# Altium PCB PCB2EPS.PcbDoc (part 2 of 2)
Units mm, origin at the board's own origin, x right, y up, seen from the top; angles counter-clockwise.
Board outline 80 x 80 mm, 2 copper layers (Top Layer, Bottom Layer); 103 components, 76 nets, 428 pads, 277 vias.
Unrouted connection lines stored in the file: 3.
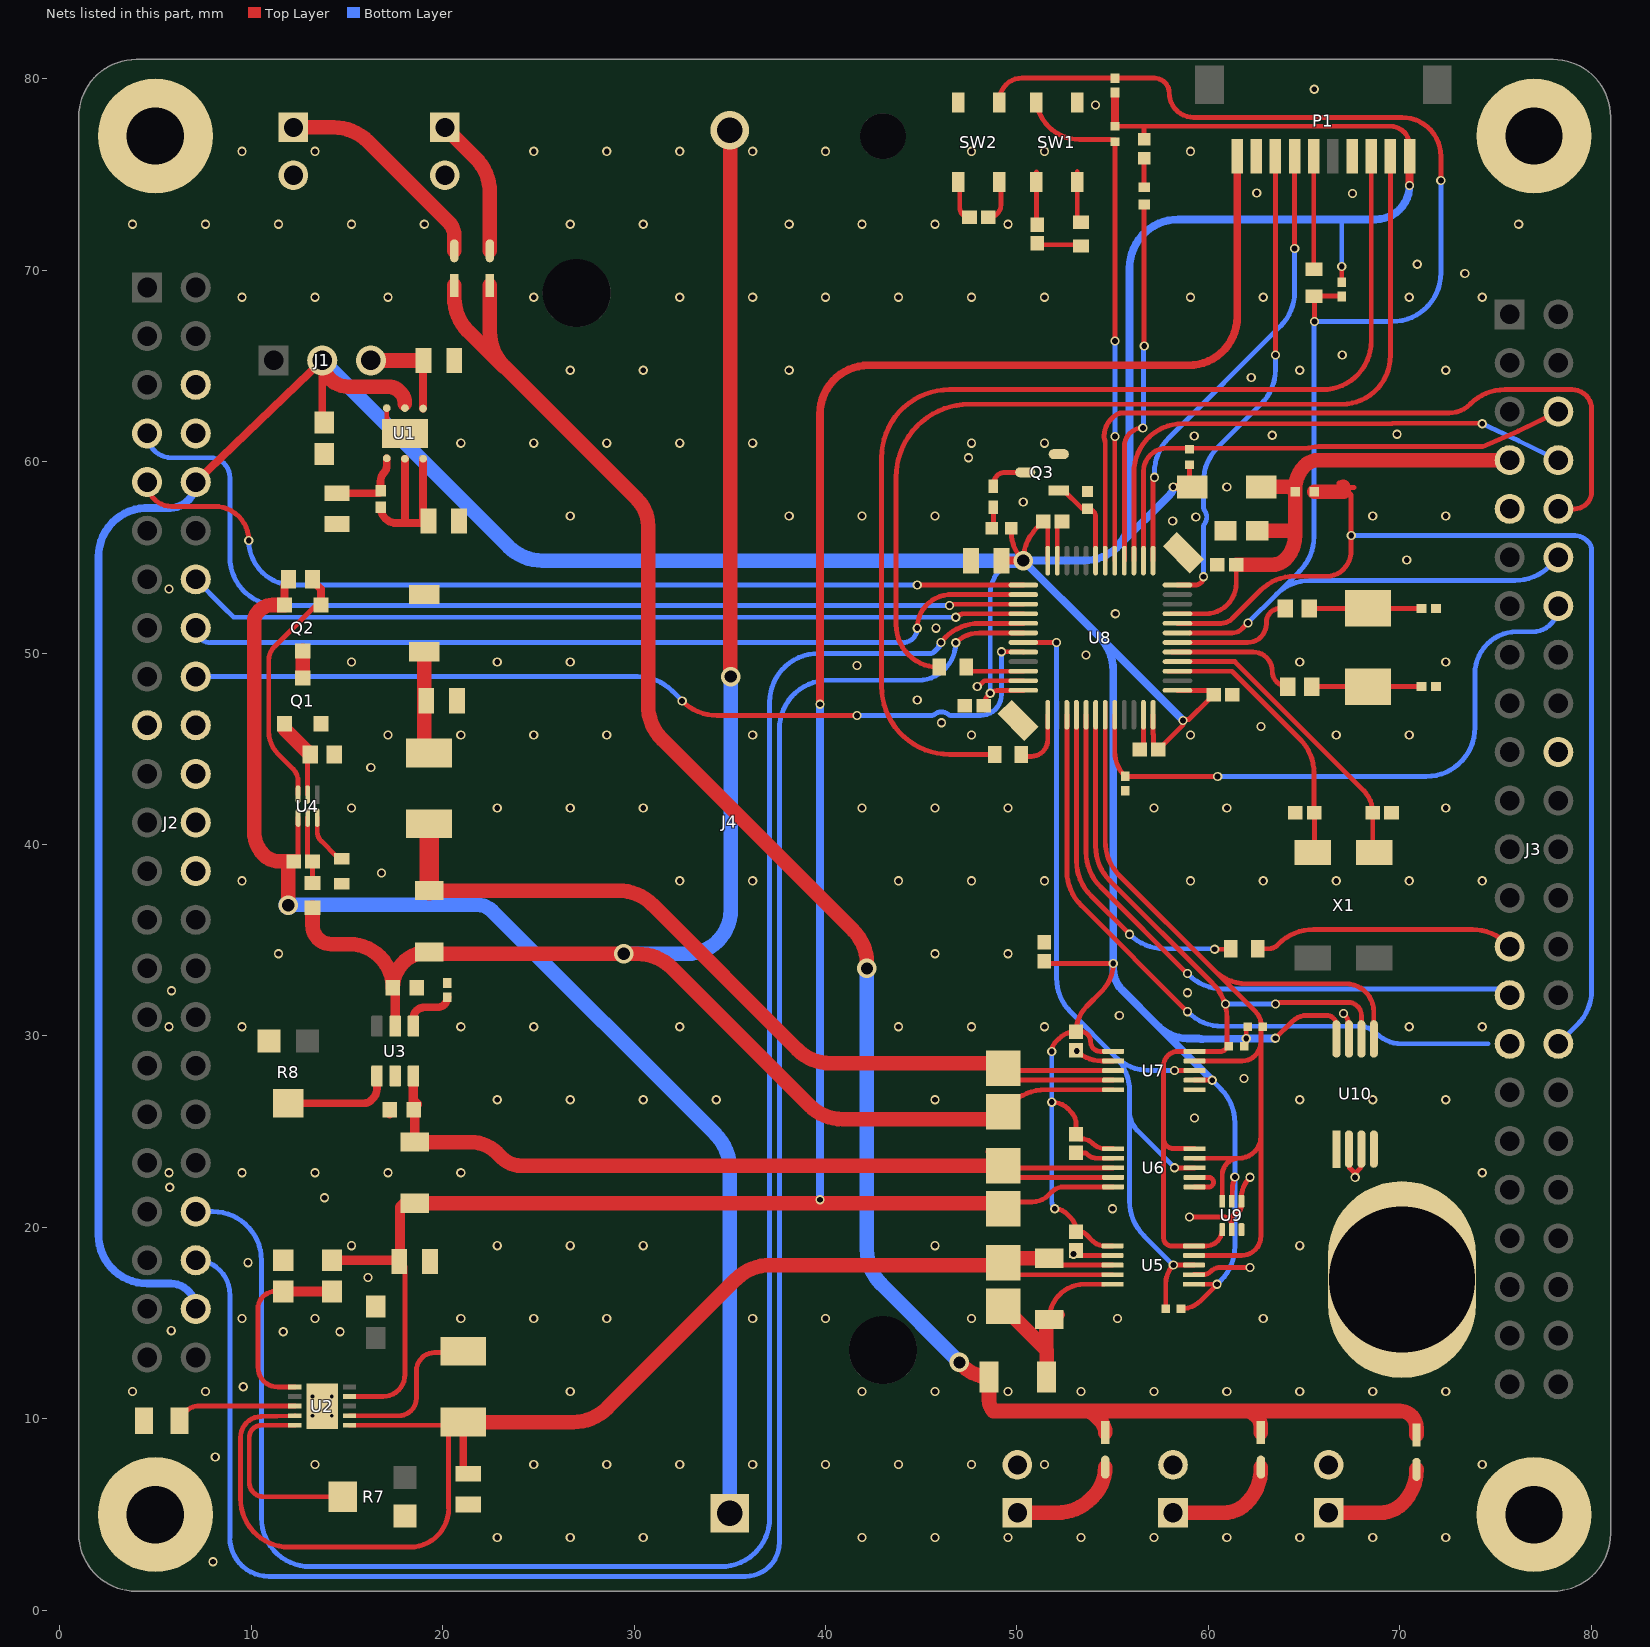
[diagram p2: the nets of this part, all layers, seen from the top]

## Via types
v1: diameter 0.483, hole 0.305, Top Layer to Bottom Layer, tented both sides, 267 vias
v2: diameter 1.016, hole 0.635, Top Layer to Bottom Layer, tented both sides, 6 vias
v3: diameter 0.5, hole 0.2, Top Layer to Bottom Layer, tented both sides, 4 vias

## Nets (pads, with @x,y where several pads share a name; then routed paths per layer and width w, separated by ;. In a path a pad name is that pad's centre, name@x,y a point inside that pad or via, vN(x,y) a via of type N, cw(c..) or ccw(c..) an arc to the next point about the centre after c; other vN are vias at no path point)
+5: C7.2 P1.10 R2.2 R3.2 R26.2 U2.9 U6.10 | length 127.7
  Top Layer w0.254: U2.9@15.141,11.168 16.884,11.168 ccw(c16.884,12.318) 18.034,12.318 18.034,17.931 ccw(c17.742,17.931) C7.2@17.742,18.223 ; R26.2@49.64,21.336 50.8,21.336 ccw(c50.8,22.528) 51.643,21.685 51.816,21.858 cw(c52.434,21.24) 52.434,22.114 U6.10@55.025,22.114
  Top Layer w0.406: v1(39.712,47.327) 39.712,62.484 cw(c42.252,62.484) 42.252,65.024 58.96,65.024 ccw(c58.96,67.564) 61.5,67.564 P1.10@61.5,75.946 ; R26.2@48.988,21.26 R26.2@49.276,20.972 ; R26.2@49.276,21.26 R26.2@49.276,20.972 ; R26.2@49.64,21.336 R26.2@49.276,20.972
  Top Layer w0.508: R3.2@14.224,18.288 C7.2@17.682,18.288 ; C7.2@17.78,18.288 17.78,21.082 R2.2@18.125,21.427
  Top Layer w0.762: R2.2@18.542,21.26 R26.2@48.988,21.26
  Bottom Layer w0.406: v1(39.712,21.443) v1(39.712,47.327)
AGND: C27.1 J3.32 U8.8 | length 56.2
  Top Layer w0.254: U8.8@58.381,51.55 60.657,51.55 ccw(c60.657,52.362) 61.23,51.788 62.709,53.266 cw(c64.505,51.47) 64.505,54.01 66.199,54.01 ccw(c66.199,55.191) 67.034,54.356 ccw(c66.027,55.363) 67.451,55.363 67.451,58.257 67.069,58.639 ; 67.034,58.639 67.069,58.639 ; 67.034,58.893 66.815,58.893 67.034,58.674 67.069,58.639 ; 67.601,58.639 67.069,58.639
  Top Layer w0.762: C27.1@65.524,58.42 67.056,58.42 ; 67.034,58.639 67.034,58.674
  Bottom Layer w0.254: v1@67.451,56.131 v1(67.454,56.134) 79.143,56.134 cw(c79.143,55.267) 79.756,55.88 79.83,55.806 cw(c79.397,55.372) 80.01,55.372 80.01,32.382 cw(c77.47,32.382) 79.266,30.586 J3.32@78.27,29.59
ALERT: R32.2 U5.3 U6.3 U7.3 U8.31 | length 49.2
  Top Layer w0.254: U8.31@50.331,50.55 50.333,50.548 51.446,50.548 51.448,50.546 v1(52.07,50.546) ; R32.2@57.766,15.748 57.766,17.068 cw(c59.132,17.068) v1(58.166,18.034) U5.3@59.242,18.034 ; v1(58.229,23.114) U6.3@59.275,23.114 ; v1(58.229,28.194) U7.3@59.275,28.194
  Bottom Layer w0.254: v1(52.07,50.546) 52.07,33.011 ccw(c54.551,33.011) 52.797,31.256 55.115,28.938 ; v1(58.166,18.034) 56.624,19.576 cw(c58.42,21.372) 55.88,21.372 55.88,26.052 ; v1(58.229,23.114) 56.296,25.047 cw(c57.302,26.052) 55.88,26.052 ; v1(58.229,28.194) 56.911,28.194 cw(c56.911,30.734) 55.115,28.938 ; 55.115,28.938 55.136,28.917 cw(c53.34,27.121) 55.88,27.121 55.88,26.052
AOCS_SHTDWN: J3.10 U8.18 | length 40.2
  Top Layer w0.254: U8.18@54.606,54.825 54.606,61.006 ccw(c54.352,61.006) 54.589,61.098 cw(c55.123,61.302) 54.552,61.334 cw(c55.828,61.334) 55.349,62.517 cw(c55.443,62.281) 55.442,62.535 72.556,62.535 ccw(c72.556,64.096) 73.66,62.992 73.678,63.01 cw(c75.474,61.214) 75.474,63.754 78.994,63.754 cw(c78.994,62.738) 80.01,62.738 80.01,58.42 cw(c79.12,58.42) 79.12,57.53 J3.10@78.27,57.53
AVDD: C17.2 C19.2 C27.2 FB2.2 J3.7 U8.9 | length 27.7
  Top Layer w0.254: U8.9@58.044,52.05 U8.9@58.381,52.05 59.85,52.05 ccw(c59.85,53.65) 61.45,53.65 C17.2@61.45,54.61
  Top Layer w0.762: C17.2@61.45,54.61 63.344,54.61 ccw(c63.344,55.549) 64.008,54.885 ccw(c62.762,56.131) 64.524,56.131 64.524,56.388 ; C19.2@62.549,56.388 64.524,56.388 ; FB2.2@62.76,58.674 64.27,58.674 C27.2@64.524,58.42 ; J3.7@75.73,60.07 65.739,60.07 ccw(c65.739,59.059) 65.024,59.774 ccw(c66.231,58.567) 64.524,58.567 C27.2@64.524,58.42 ; 64.524,56.388 C27.2@64.524,58.42
BAT_BUS: C2.2 C3.2 F1.1 J2.6 J2.24 J2.26 R1.2 U1.5 U1.6 | length 10
  Top Layer w0.406: R1.2@16.764,57.62 ccw(c17.601,57.62) 17.601,56.783 18.034,56.783 ; U1.5@18.034,60.147 18.034,56.783 ; C2.2@18.984,57.06 U1.6@18.984,60.147 ; C2.2@18.993,57.069 19.166,56.896 19.264,56.896 19.151,56.783 18.034,56.783
  Top Layer w0.762: F1.1@19.05,53.062 F1.1@19.157,53.169
BOOT0: J3.14 R21.2 U8.44 | length 32.3
  Top Layer w0.254: U8.44@55.106,46.775 55.106,44.859 ccw(c56.95,44.859) R21.2@55.646,43.555 v1(60.48,43.555)
  Bottom Layer w0.254: v1(60.48,43.555) 71.374,43.555 ccw(c71.374,46.095) 73.914,46.095 73.914,48.917 cw(c76.108,48.917) 76.108,51.111 76.931,51.111 ccw(c76.931,52.45) J3.14@78.27,52.45
BOOT0_AOCS: J2.9 U8.25 | length 48.8
  Top Layer w0.254: J2.9@4.572,58.928 ccw(c5.842,58.928) 5.842,57.658 8.099,57.658 cw(c8.099,55.88) v1(9.877,55.88) ; v1(44.79,53.55) U8.25@50.331,53.55
  Bottom Layer w0.254: v1(9.877,55.88) ccw(c12.207,55.88) 12.207,53.55 v1(44.79,53.55)
BOOT0_OBC: J2.7 U8.27 | length 52.7
  Top Layer w0.254: v1(46.482,52.478) cw(c46.655,52.306) 46.655,52.55 U8.27@50.331,52.55
  Bottom Layer w0.254: J2.7@4.572,61.468 ccw(c5.842,61.468) 5.842,60.198 7.874,60.198 cw(c7.874,59.182) 8.89,59.182 8.89,55.018 ccw(c11.43,55.018) 11.43,52.478 v1(46.482,52.478)
CS_MCU: J3.6 R36.1 U8.14 | length 28
  Top Layer w0.254: U8.14@56.604,54.827 U8.14@56.606,54.825 56.606,59.482 cw(c57.815,59.482) 57.815,60.69 58.818,60.69 65.147,60.69 ccw(c65.146,60.944) 65.221,60.702 cw(c65.739,59.059) 65.739,60.781 74.312,60.781 76.173,61.586 ccw(c75.73,62.61) 76.22,61.608 J3.6@78.27,62.61 cw(c77.89,62.61) J3.6@77.89,62.23
GND: C1.2 C2.1 C4.2 C5.2 C6.1 C7.1 C8.1 C10.1 C11.2 C12.1 C13.1 C14.1 C17.1 C18.1 C19.1 C20.1 C21.1 C22.1 C23.1 C24.2 C25.2 C26.2 C28.2 C29.2 C30.2 J2.8 J2.19 J2.20 J2.22 J3.9 J3.20 J5.2 J6.2 J7.2 J8.2 J9.2 P1.4 P1.9 pad.1 pad.2 pad.3 pad.4 pad.6 Q1.2 Q3.2 R4.2 R5.2 R7.1 R8.3 R10.1 R12.2 R21.1 R28.1 SW1.1 SW2.2 U1.3 U1.7 U2.11 U3.5 U5.2 U5.7 U6.1 U6.2 U6.7 U7.1 U7.7 U8.23 U8.35 U8.47 U9.2 U9.4 U10.1 U10.2 U10.3 U10.4 U10.7 | length 30.1
  Top Layer w0.254: U1.3@17.084,62.789 17.084,62.418 ccw(c18.034,62.418) U1.7@18.034,61.468 ; v1(47.922,48.247) 47.984,48.247 48.287,48.55 U8.35@50.331,48.55 ; U8.23@52.106,54.825 52.106,56.678 C21.1@52.301,56.873 ; v1(52.948,18.605) 53.086,18.743 C12.1@53.086,18.776 ; C12.1@53.086,18.796 C12.1@53.086,18.776 ; C13.1@53.086,23.894 53.488,23.894 cw(c53.488,23.613) 53.686,23.812 ccw(c54.164,24.289) 54.164,23.614 U6.7@55.025,23.614 ; C14.1@53.086,29.246 ccw(c54.419,30.579) 54.419,28.694 U7.7@55.025,28.694 ; U5.7@54.544,18.536 53.468,18.536 53.461,18.543 53.319,18.543 C12.1@53.086,18.776 ; C22.1@56.406,44.958 56.606,45.158 U8.47@56.606,46.775 ; v1(59.015,20.54) 60.502,20.54 ccw(c60.501,20.794) 60.547,20.544 cw(c60.619,20.171) 60.619,20.551 60.82,20.551 cw(c60.82,20.171) 61.199,20.171 61.199,20.094 U9.2@61.219,19.886 61.219,20.466 cw(c61.473,20.465) 61.411,20.712 ccw(c61.32,21.08) 61.699,21.08 61.699,21.158 U9.4@61.719,21.366 61.719,21.54 cw(c63.246,21.54) v1(62.166,22.62) ; U5.2@59.242,17.534 59.722,17.534 ccw(c59.722,18.096) 60.119,17.699 cw(c60.627,17.191) 60.627,17.909 v1(62.166,17.909) ; U6.1@59.275,22.114 60.013,22.114 ccw(c60.013,22.363) 60.262,22.363 ccw(c60.012,22.364) 60.012,22.614 U6.2@59.275,22.614 ; v1(67.056,31.178) cw(c66.383,30.506) 67.335,30.506 U10.7@67.335,29.846 ; U10.2@67.335,24.095 67.367,24.063 67.367,23.107 v1@67.656,22.818 ; v1(67.66,22.617) 67.656,22.621 v1@67.656,22.818 ; U10.3@67.985,24.095 67.953,24.063 67.953,23.115 v1@67.656,22.818
  Top Layer w0.406: R4.2@14.732,37.958 R4.2@14.784,37.906 ; C4.2@17.247,25.886 C4.2@17.307,25.945 ; U3.5@17.467,27.851 U3.5@17.526,27.91
  other v1: 8.016,2.54 22.86,3.81 26.67,3.81 30.48,3.81 41.91,3.81 45.72,3.81 49.53,3.81 53.34,3.81 57.15,3.81 60.96,3.81 64.77,3.81 68.58,3.81 72.39,3.81 13.335,7.62 24.765,7.62 28.575,7.62 32.385,7.62 36.195,7.62 40.005,7.62 43.815,7.62 47.625,7.62 51.435,7.62 74.295,7.62 8.128,8.016 3.81,11.43 7.62,11.43 26.67,11.43 41.91,11.43 45.72,11.43 49.53,11.43 53.34,11.43 57.15,11.43 60.96,11.43 64.77,11.43 68.58,11.43 72.39,11.43 9.59,11.683 11.684,14.551 14.649,14.551 5.834,14.61 9.525,15.24 13.335,15.24 20.955,15.24 24.765,15.24 28.575,15.24 36.195,15.24 40.005,15.24 47.625,15.24 55.245,15.24 62.865,15.24 16.11,17.382 9.837,18.161 15.24,19.05 22.86,19.05 26.67,19.05 30.48,19.05 45.72,19.05 64.77,19.05 54.992,20.972 13.838,21.55 5.755,22.098 5.715,22.86 9.525,22.86 13.335,22.86 17.145,22.86 20.955,22.86 74.295,22.86 59.265,25.711 22.86,26.67 26.67,26.67 30.48,26.67 34.29,26.67 45.72,26.67 64.77,26.67 68.58,26.67 72.39,26.67 61.851,27.774 53.122,29.211 5.715,30.48 9.525,30.48 20.955,30.48 24.765,30.48 32.385,30.48 43.815,30.48 47.625,30.48 51.435,30.48 70.485,30.48 74.295,30.48 55.346,31.066 58.899,32.256 5.842,32.362 11.43,34.29 45.72,34.29 49.53,34.29 9.525,38.1 32.385,38.1 36.195,38.1 43.815,38.1 47.625,38.1 51.435,38.1 59.055,38.1 62.865,38.1 66.675,38.1 70.485,38.1 74.295,38.1 16.813,38.516 15.24,41.91 22.86,41.91 26.67,41.91 30.48,41.91 41.91,41.91 45.72,41.91 49.53,41.91 57.15,41.91 60.96,41.91 72.39,41.91 16.256,44.026 17.145,45.72 20.955,45.72 24.765,45.72 28.575,45.72 36.195,45.72 47.625,45.72 59.055,45.72 66.675,45.72 70.485,45.72 62.738,46.164 46.051,46.354 44.79,47.545 41.65,49.345 15.24,49.53 22.86,49.53 26.67,49.53 64.77,49.53 72.39,49.53 53.606,49.891 45.77,51.299 55.136,52.05 5.715,53.34 70.358,54.86 58.129,56.888 59.34,57.098 26.67,57.15 38.1,57.15 41.91,57.15 45.72,57.15 68.58,57.15 72.39,57.15 50.326,57.886 60.96,58.674 47.466,60.198 20.955,60.96 24.765,60.96 28.575,60.96 32.385,60.96 36.195,60.96 47.625,60.96 51.435,60.96 59.259,61.33 63.331,61.376 69.85,61.426 62.23,64.388 26.67,64.77 30.48,64.77 38.1,64.77 64.77,64.77 72.39,64.77 66.985,65.557 9.525,68.58 13.335,68.58 17.145,68.58 24.765,68.58 32.385,68.58 36.195,68.58 40.005,68.58 43.815,68.58 47.625,68.58 51.435,68.58 59.055,68.58 62.865,68.58 70.485,68.58 74.295,68.58 73.39,69.815 70.902,70.305 3.81,72.39 7.62,72.39 11.43,72.39 15.24,72.39 19.05,72.39 26.67,72.39 30.48,72.39 38.1,72.39 41.91,72.39 45.72,72.39 49.53,72.39 76.2,72.39 67.525,74.002 62.525,74.027 9.525,76.2 13.335,76.2 24.765,76.2 28.575,76.2 32.385,76.2 36.195,76.2 40.005,76.2 47.625,76.2 51.435,76.2 59.055,76.2 54.102,78.62 65.525,79.44
  other v3: 13.216,10.168 14.216,10.168 13.216,11.168 14.216,11.168
LED_BLUE: D8.1 U8.16 | length 19.2
  Top Layer w0.254: U8.16@55.606,54.825 55.606,60.789 cw(c56.572,60.789) v1(56.572,61.756) ; v1(56.642,66.04) D8.1@56.642,73.422
  Bottom Layer w0.254: v1(56.572,61.756) 56.607,61.791 56.607,66.005 v1(56.642,66.04)
LED_GREEN: Q3.1 R28.2 U8.19 | length 4.8
  Top Layer w0.254: Q3.1@52.183,58.486 52.45,58.486 53.321,57.615 ccw(c53.519,57.814) 53.519,57.533 R28.2@53.695,57.533 ; R28.2@53.692,57.533 cw(c53.692,57.119) 54.106,57.119 U8.19@54.106,54.825
MCU_SHTDWN: J2.18 U8.32 | length 46.8
  Top Layer w0.254: v1(32.512,47.498) 32.53,47.48 ccw(c34.326,49.276) 34.326,46.736 v1(41.65,46.736) ; v1(49.193,50.068) U8.32@50.331,50.05
  Bottom Layer w0.254: J2.18@7.112,48.768 30.19,48.768 cw(c30.19,46.228) 31.986,48.024 v1(32.512,47.498) ; v1(41.65,46.736) 45.526,46.736 ccw(c45.525,46.99) 45.686,46.794 cw(c46.051,46.354) 46.417,46.794 ccw(c46.578,46.99) 46.577,46.736 48.093,46.736 ccw(c48.093,47.836) 49.193,47.836 v1(49.193,50.068)
MISO: R20.1 U8.40 | length 18
  Top Layer w0.254: U8.40@53.106,46.775 53.106,39.132 ccw(c55.646,39.132) 53.85,37.336 v1(55.88,35.306) ; v1(60.323,34.526) 61.094,34.526 ccw(c61.094,34.631) R20.1@61.168,34.557
  Bottom Layer w0.254: v1(55.88,35.306) 55.885,35.301 ccw(c57.681,37.097) 57.681,34.557 60.292,34.557 v1(60.323,34.526)
MOSI: J3.29 U8.41 | length 32.5
  Top Layer w0.254: U8.41@53.606,46.775 53.606,39.602 ccw(c56.146,39.602) 54.35,37.806 v1(58.899,33.257)
  Bottom Layer w0.254: v1(58.899,33.257) 58.958,33.198 ccw(c60.754,34.994) 60.754,32.454 J3.29@75.6,32.454
NetC1_1: C1.1 J1.3 U1.1 | length 5.2
  Top Layer w0.432: U1.1@18.984,62.768 C1.1@18.984,65.252
  Top Layer w0.762: J1.3@16.256,65.278 C1.1@19.01,65.278
NetC3_1: C3.1 R1.1 U1.4 | length 4.1
  Top Layer w0.406: C3.1@14.486,58.345 16.639,58.345 ccw(c16.639,58.47) R1.1@16.764,58.47 16.764,58.971 cw(c17.421,58.971) 16.957,59.436 ccw(c16.649,59.744) 17.084,59.744 U1.4@17.084,60.168
NetC4_1: C4.1 R2.1 R26.1 U3.6 U6.8 U6.9 | length 47.3
  Top Layer w0.254: R26.1@49.171,22.614 U6.9@55.025,22.614 ; R26.1@49.276,23.224 49.386,23.114 U6.8@55.025,23.114
  Top Layer w0.406: R26.1@48.552,23.948 48.576,23.948 49.276,23.248 R26.1@49.276,23.224
  Top Layer w0.508: U3.6@18.476,27.91 18.476,26.628 18.661,26.443 C4.1@18.661,26.416 ; R2.1@18.542,24.46 C4.1@18.542,26.386
  Top Layer w0.762: R2.1@18.542,24.46 21.45,24.46 cw(c21.45,22.466) 22.86,23.876 23.076,23.66 ccw(c24.13,24.715) 24.13,23.224 26.924,23.224 R26.1@49.276,23.224
NetC5_1: C5.1 J4.2 R6.2 R11.2 R30.2 U3.2 U7.10 | length 99.3
  Top Layer w0.254: R30.2@49.276,26.052 49.658,26.434 cw(c51.492,24.599) 51.492,27.194 U7.10@55.025,27.194
  Top Layer w0.508: C5.1@17.407,32.512 17.526,32.393 U3.2@17.526,30.51
  Top Layer w0.762: R6.2@13.208,36.688 13.208,35.772 ccw(c14.182,35.772) 14.182,34.798 15.121,34.798 cw(c15.121,32.512) C5.1@17.407,32.512 cw(c19.287,32.512) 19.287,34.392 R11.2@19.304,34.392 19.406,34.29 v2(29.464,34.29) 30.19,34.29 cw(c30.19,31.75) 31.986,33.546 39.16,26.372 ccw(c40.894,28.107) 40.894,25.654 48.878,25.654 R30.2@49.276,26.052 ; J4.2@35,77.3 35.026,77.274 35.026,48.794 v2(35.052,48.768)
  Bottom Layer w0.762: v2(29.464,34.29) 32.766,34.29 ccw(c32.766,36.576) 35.052,36.576 v2(35.052,48.768)
NetC6_2: C6.2 L1.1 R29.2 R31.2 U2.4 U2.6 U5.8 U5.9 | length 75.8
  Top Layer w0.254: U2.4@12.291,10.168 10.518,10.125 ccw(c10.541,9.033) 9.449,9.033 9.449,5.842 ccw(c11.989,5.842) 11.989,3.302 18.288,3.302 ccw(c18.288,5.334) 20.32,5.334 20.32,9.505 cw(c20.483,9.505) 20.483,9.668 U2.6@15.141,9.668 ; R29.2@49.276,18.144 49.894,17.526 U5.9@54.992,17.526 ; R31.2@51.68,18.034 U5.8@54.992,18.034
  Top Layer w0.406: C6.2@21.082,7.112 L1.1@21.082,9.652
  Top Layer w0.762: L1.1@21.082,9.834 26.816,9.834 ccw(c26.816,12.374) 28.612,10.578 35.324,17.29 cw(c37.12,15.494) 37.12,18.034 R29.2@49.386,18.034 ; R29.2@49.276,18.144 cw(c49.521,18.144) 49.521,18.389 R31.2@51.68,18.389
NetC8_2: C8.2 U2.3 | length 6.5
  Top Layer w0.254: C8.2@6.259,9.906 6.434,9.906 cw(c7.196,9.906) 7.196,10.668 U2.3@12.291,10.668
NetC9_1: C9.1 R6.1 U4.5 | length 3.5
  Top Layer w0.254: U4.5@12.954,41.402 12.954,39.35 13.188,39.116 cw(c13.188,39.096) 13.208,39.096 R6.1@13.208,37.988
NetC9_2: C9.2 J4.1 Q2.2 R9.1 U4.4 | length 69.3
  Top Layer w0.254: C9.2@12.228,39.116 12.454,39.342 U4.4@12.454,41.402
  Top Layer w0.406: Q2.2@11.75,52.508 11.75,53.565 11.958,53.773 R9.1@11.958,53.848
  Top Layer w0.762: Q2.2@11.75,52.508 11.138,52.508 ccw(c11.138,51.484) 10.414,52.208 ccw(c11.027,51.595) 10.16,51.595 10.16,40.684 ccw(c11.894,40.684) 10.668,39.458 ccw(c11.494,40.284) 11.494,39.116 C9.2@12.228,39.116 ; v2(11.938,36.83) C9.2@11.938,39.116
  Bottom Layer w0.762: v2@11.953,36.845 21.829,36.845 cw(c21.829,35.782) 22.581,36.533 34.256,24.858 cw(c32.46,23.062) 35,23.062 J4.1@35,5.08
  Bottom Layer w1.016: v2(11.938,36.83) v2@11.953,36.845
NetC11_1: C11.1 F1.2 L2.2 | length 5.4
  Top Layer w0.762: F1.2@19.05,50.062 19.05,47.498 19.05,45.03 L2.2@19.304,44.776
NetC15_1: C15.1 SW1.4 | length 2.8
  Top Layer w0.254: SW1.4@51.025,75.112 51.025,72.401 C15.1@51.054,72.372
NetC15_2: C15.2 R17.2 | length 2.3
  Top Layer w0.254: C15.2@51.054,71.392 51.122,71.324 53.273,71.324 R17.2@53.34,71.257
NetC16_1: C16.1 SW2.1 | length 2.1
  Top Layer w0.254: SW2.1@47.011,74.535 47.011,73.245 ccw(c47.499,73.245) C16.1@47.499,72.757
NetC16_2: C16.2 SW2.3 | length 2.2
  Top Layer w0.254: C16.2@48.499,72.757 48.519,72.757 ccw(c48.519,73.399) 49.161,73.399 SW2.3@49.161,74.535
NetC26_1: C26.1 R24.2 X2.2 | length 5.7
  Top Layer w0.254: R24.2@65.395,48.242 X2.2@68.326,48.242 C26.1@71.12,48.242
NetC28_1: C28.1 R25.2 X2.1 | length 5.9
  Top Layer w0.254: R25.2@65.258,52.324 C28.1@71.12,52.324
NetD2_1: D2.1 D3.1 D4.1 D5.1 D6.1 F2.1 | length 100.8
  Top Layer w0.762: D6.1@20.614,69.204 20.614,68.552 ccw(c23.089,68.552) 21.339,66.802 23.193,64.948 ; D5.1@22.47,69.204 22.47,66.766 ccw(c25.01,66.766) 23.214,64.97 30.163,58.021 cw(c28.783,56.642) 30.734,56.642 30.734,47.28 ccw(c33.274,47.28) 31.478,45.484 41.446,35.516 cw(c39.711,33.782) v2@42.164,33.782 ; v2(46.99,12.954) 47.196,12.748 ccw(c48.538,14.09) F2.1@48.538,12.192 48.538,10.969 ccw(c49.323,10.969) 48.768,10.414 53.473,10.414 ; D4.1@54.61,9.282 ccw(c53.723,9.282) 54.35,9.91 54.11,10.15 ccw(c53.473,9.513) 53.473,10.414 ; D3.1@62.738,9.282 62.738,9.547 ccw(c61.871,9.547) 62.484,10.16 ccw(c61.871,9.547) 61.871,10.414 ; D2.1@70.866,9.167 70.866,9.537 ccw(c69.999,9.537) 70.612,10.15 ccw(c69.975,9.513) 69.975,10.414 61.871,10.414 ; 53.473,10.414 61.871,10.414
  Bottom Layer w0.762: v2(42.164,33.528) 42.164,18.843 ccw(c44.704,18.843) 42.908,17.047 46.99,12.965 v2(46.99,12.954)
NetD2_2: D2.2 J5.1 | length 6
  Top Layer w0.762: J5.1@66.277,5.1 68.963,5.1 ccw(c68.963,6.766) 70.141,5.588 ccw(c68.391,7.338) 70.866,7.338 D2.2@70.866,7.366
NetD3_2: D3.2 J6.1 | length 6.1
  Top Layer w0.762: J6.1@58.149,5.1 60.798,5.1 ccw(c60.798,6.766) 61.976,5.588 61.994,5.606 ccw(c60.198,7.402) 62.738,7.402 D3.2@62.738,7.482
NetD4_2: D4.2 J7.1 | length 5.9
  Top Layer w0.762: J7.1@50.021,5.1 52.083,5.1 ccw(c52.083,7.64) 53.879,5.844 53.969,5.934 ccw(c52.421,7.482) D4.2@54.61,7.482
NetD5_2: D5.2 J8.1 | length 7.3
  Top Layer w0.762: J8.1@20.12,77.45 21.726,75.844 cw(c19.93,74.048) 22.47,74.048 D5.2@22.47,71.004
NetD6_2: D6.2 J9.1 | length 11.6
  Top Layer w0.762: J9.1@12.209,77.45 14.318,77.45 cw(c14.318,74.91) 16.114,76.706 20.32,72.5 cw(c19.611,71.791) 20.614,71.791 D6.2@20.614,71.004
NetD7_1: D7.1 Q3.3 | length 2.1
  Top Layer w0.254: D7.1@48.768,58.716 48.768,58.816 cw(c49.388,58.816) 49.388,59.436 Q3.3@50.433,59.436
NetD7_2: D7.2 R27.2 | length 1.1
  Top Layer w0.254: D7.2@48.768,57.616 48.772,57.612 R27.2@48.772,56.513
NetD8_2: D8.2 R16.2 | length 1.5
  Top Layer w0.254: D8.2@56.642,74.322 R16.2@56.642,75.833
NetF2_2: F2.2 R29.1 R31.1 U5.10 | length 11.8
  Top Layer w0.254: R31.1@51.68,15.189 cw(c53.526,15.189) 53.526,17.034 U5.10@54.544,17.034
  Top Layer w0.508: R29.1@49.276,15.868 R29.1@49.276,15.892 ; F2.2@51.538,12.192 51.538,13.606 51.562,13.582 ; R31.1@51.68,15.189 51.926,15.435 R31.1@52.265,15.435
  Top Layer w0.762: R29.1@49.276,15.868 51.538,13.606 R31.1@51.538,14.924 ; F2.2@51.562,12.384 51.562,13.582
NetJ3_27: J3.27 R20.2 | length 13.7
  Top Layer w0.254: R20.2@62.568,34.557 63.171,34.557 ccw(c63.171,35.148) 63.588,34.73 63.674,34.816 cw(c65.471,33.02) 65.471,35.56 73.788,35.56 cw(c73.788,33.02) 75.584,34.816 J3.27@75.73,34.67
NetL1_2: L1.2 U2.7 | length 8.5
  Top Layer w0.254: U2.7@15.141,10.168 17.712,10.168 ccw(c17.712,11.09) 18.634,11.09 18.634,12.514 cw(c19.582,12.514) 19.582,13.462 21.01,13.462 ccw(c21.01,13.534) L1.2@21.082,13.534
NetL2_1: L2.1 R11.1 R30.1 U7.8 U7.9 | length 47.8
  Top Layer w0.254: R30.1@49.276,28.304 49.386,28.194 U7.8@55.025,28.194 ; R30.1@50.076,27.694 U7.9@55.025,27.694
  Top Layer w0.762: R11.1@19.304,37.592 29.174,37.592 cw(c29.174,35.052) 30.97,36.848 38.525,29.293 ccw(c40.26,31.027) 40.26,28.574 49.005,28.574 R30.1@49.276,28.304
  Top Layer w1.016: R11.1@19.304,37.592 L2.1@19.304,41.076
NetP1_6: P1.6 R22.1 | length 5.9
  Top Layer w0.254: P1.6@65.5,75.946 65.5,70.049 R22.1@65.507,70.042
NetQ1_1: Q1.1 R10.2 U4.2 | length 4.3
  Top Layer w0.254: U4.2@12.954,42.609 R10.2@12.954,44.704
  Top Layer w0.762: Q1.1@11.75,46.298 11.769,46.279 11.769,46.026 12.997,44.798 13.072,44.798 13.091,44.779 R10.2@13.091,44.704
NetQ1_3: Q1.3 Q2.3 | length 1.4
  Top Layer w0.762: Q1.3@12.7,48.698 Q2.3@12.7,50.108
NetQ2_1: Q2.1 R9.2 U4.3 | length 13.3
  Top Layer w0.254: U4.3@12.454,42.609 12.454,43.302 ccw(c11.541,43.302) 12.187,43.947 11.415,44.719 cw(c12.602,45.907) 10.923,45.907 10.923,49.608 cw(c11.954,49.608) 11.225,50.337 Q2.1@13.65,52.762
  Top Layer w0.406: R9.2@13.208,53.848 13.208,53.773 13.405,53.576 13.412,53.576 13.65,53.338 13.65,52.762 Q2.1@13.65,52.508
NetR3_1: R3.1 R5.1 U2.1 | length 10
  Top Layer w0.254: R5.1@11.684,16.657 11.268,16.657 ccw(c11.268,15.748) 10.359,15.748 10.359,12.7 ccw(c11.391,12.7) 11.391,11.668 U2.1@12.291,11.668
  Top Layer w0.508: R5.1@11.684,16.657 R3.1@14.224,16.657
NetR4_1: R4.1 U4.6 | length 2.7
  Top Layer w0.254: U4.6@13.454,41.402 13.454,40.669 ccw(c14.138,40.669) 13.654,40.186 14.476,39.364 ccw(c14.732,39.62) R4.1@14.732,39.258
NetR7_2: R7.2 U2.5 | length 10.4
  Top Layer w0.254: U2.5@12.291,9.668 10.541,9.668 ccw(c10.541,9.033) 9.906,9.033 9.906,6.684 ccw(c10.656,6.684) 10.656,5.934 R7.2@14.784,5.934
NetR8_2: R8.2 U3.4 | length 5.5
  Top Layer w0.406: R8.2@11.938,26.49 15.923,26.49 ccw(c15.923,26.961) 16.256,26.628 16.355,26.727 ccw(c15.823,27.26) 16.576,27.26 U3.4@16.576,27.656
NetR12_1: R12.1 U3.1 | length 2.8
  Top Layer w0.406: U3.1@18.476,30.51 18.476,30.921 cw(c19.051,30.921) 19.051,31.496 19.732,31.496 ccw(c19.732,32.018) R12.1@20.254,32.018
NetR17_1: R17.1 SW1.2 | length 2.7
  Top Layer w0.254: 53.145,75.141 53.145,72.702 R17.1@53.34,72.507
NetR18_2: R18.2 U8.34 | length 3.1
  Top Layer w0.254: R18.2@47.34,49.276 47.34,49.273 47.563,49.05 U8.34@50.331,49.05
NetR19_2: R19.2 U8.37 | length 3.4
  Top Layer w0.254: R19.2@50.03,44.704 50.13,44.604 50.749,44.604 ccw(c50.749,45.461) 51.606,45.461 U8.37@51.606,46.775
NRST: J3.12 R22.2 R23.2 R33.2 SW2.4 U8.7 | length 78.6
  Top Layer w0.254: SW2.4@49.09,78.748 cw(c50.251,78.857) 50.251,80.023 R23.2@55.118,80.023 57.175,80.023 cw(c57.175,79.248) 57.95,79.248 ccw(c59.227,79.248) 59.227,77.971 70.104,77.971 cw(c70.104,75.939) 72.136,75.939 v1(72.136,74.674) ; U8.7@59.029,51.05 61.23,51.05 ccw(c61.23,51.788) 61.752,51.266 v1(62.06,51.574) ; v1(65.532,67.31) 65.532,68.617 R22.2@65.507,68.642 66.9,68.642 cw(c66.9,68.557) R33.2@66.96,68.617
  Bottom Layer w0.254: v1(62.06,51.574) 63.56,53.074 ; v1@65.507,67.285 65.507,56.073 cw(c62.967,56.073) 64.763,54.277 63.56,53.074 ; v1(65.532,67.31) 69.596,67.31 ccw(c69.596,69.85) 72.136,69.85 v1(72.136,74.674) ; J3.12@78.27,54.99 77.812,54.532 cw(c76.016,56.328) 76.016,53.788 65.284,53.788 ccw(c65.284,51.35) 63.56,53.074
NRST_AOCS: J2.16 U8.26 | length 45.1
  Top Layer w0.254: v1(44.79,51.299) cw(c46.541,51.299) 46.366,53.041 46.425,53.047 cw(c46.482,52.478) 46.482,53.05 U8.26@50.331,53.05
  Bottom Layer w0.254: J2.16@7.112,51.308 ccw(c7.88,51.308) 7.88,50.54 44.031,50.54 ccw(c44.031,51.299) v1(44.79,51.299)
NRST_COM: J2.40 U8.29 | length 105.9
  Top Layer w0.254: v1(46.032,50.55) 46.032,50.592 46.246,50.806 cw(c48.042,49.01) 48.042,51.55 U8.29@50.331,51.55
  Bottom Layer w0.254: J2.40@7.112,20.828 8.001,20.828 cw(c8.001,18.288) 10.541,18.288 10.541,4.826 ccw(c13.081,4.826) 13.081,2.286 34.544,2.286 ccw(c34.544,4.826) 37.084,4.826 37.084,47.436 cw(c39.624,47.436) 39.624,49.976 45.458,49.976 ccw(c45.458,50.23) 45.47,49.976 45.501,49.978 ccw(c45.489,50.232) 45.513,49.979 ccw(c45.458,50.55) 45.514,49.979 ccw(c45.489,50.232) 45.667,50.051 45.955,50.339 ccw(c45.776,50.519) 46.029,50.493 ccw(c45.458,50.55) v1(46.032,50.55) v1@45.888,50.406
NRST_OBC: J2.14 U8.28 | length 44.1
  Top Layer w0.254: v1(46.799,51.87) cw(c47.233,51.436) 47.233,52.05 U8.28@50.331,52.05
  Bottom Layer w0.254: J2.14@7.112,53.848 8.533,52.427 9.09,51.87 9.877,51.87 v1(46.799,51.87)
NRST_PL: J2.42 U8.30 | length 104.3
  Top Layer w0.254: v1(46.801,50.538) cw(c48.038,49.301) 48.038,51.05 U8.30@50.331,51.05
  Bottom Layer w0.254: J2.42@7.112,18.288 cw(c7.112,16.51) 8.89,16.51 8.89,3.81 ccw(c10.922,3.81) 10.922,1.778 35.814,1.778 ccw(c35.814,3.556) 37.592,3.556 37.592,46.036 cw(c40.132,46.036) 40.132,48.576 44.839,48.576 ccw(c44.839,50.538) v1(46.801,50.538)
OSC32IN: C24.1 U8.3 X1.1 | length 14.5
  Top Layer w0.254: U8.3@57.873,49.05 U8.3@58.381,49.05 61.23,49.05 64.782,45.499 cw(c63.014,43.731) 65.514,43.731 C24.1@65.514,41.656 ; X1.1@65.456,39.58 65.532,39.656 C24.1@65.532,41.656
OSC32OUT: C25.1 U8.4 X1.4 | length 16.3
  Top Layer w0.254: U8.4@58.007,49.55 U8.4@58.381,49.55 61.377,49.55 68.091,42.836 cw(c66.912,41.656) C25.1@68.58,41.656 68.58,39.656 X1.4@68.656,39.58
OSC_IN: R24.1 U8.5 | length 7.1
  Top Layer w0.254: U8.5@58.089,50.05 62.333,50.05 cw(c62.333,49.05) 63.333,49.05 ccw(c64.141,49.05) 64.141,48.242 R24.1@64.145,48.242
OSC_OUT: R25.1 U8.6 | length 6.7
  Top Layer w0.254: U8.6@58.381,50.55 62.049,50.55 ccw(c62.049,51.523) 63.023,51.523 63.023,51.61 cw(c63.737,51.61) 63.737,52.324 R25.1@64.008,52.324
Payload_SHTDWN: J3.8 U8.15 | length 28.7
  Top Layer w0.254: U8.15@56.106,54.825 56.106,59.436 cw(c58.646,59.436) 58.646,61.976 69.592,61.976 69.613,61.998 74.273,61.998 v1(74.295,61.976)
  Bottom Layer w0.254: v1(74.295,61.976) 76.204,61.079 cw(c75.73,60.07) 76.22,61.072 J3.8@78.27,60.07
RX: P1.7 U8.13 | length 24
  Top Layer w0.254: U8.13@57.106,54.825 57.106,59.041 57.178,59.112 v1(57.178,59.174) ; v1(64.5,71.12) P1.7@64.5,75.946
  Bottom Layer w0.254: v1(57.178,59.174) 57.178,59.432 cw(c59.718,59.432) 57.921,61.228 63.756,67.063 ccw(c61.96,68.859) 64.5,68.859 v1(64.5,71.12)
SCK: J3.31 U8.39 | length 34.2
  Top Layer w0.254: U8.39@52.606,46.775 52.606,38.616 ccw(c55.146,38.616) 53.35,36.82 v1(58.899,31.271)
  Bottom Layer w0.254: v1(58.899,31.271) 58.92,31.25 ccw(c60.716,33.046) 60.716,30.506 67.871,30.506 cw(c67.871,29.227) 68.776,30.131 ccw(c70.082,31.437) 70.082,29.59 74.615,29.59
SCL: R13.1 U5.5 U6.5 U7.5 U8.42 U9.1 U10.6 | length 47
  Top Layer w0.254: U8.42@54.106,46.775 54.106,39.91 ccw(c56.646,39.91) 54.85,38.114 60.226,32.738 cw(c58.43,30.942) 60.97,30.942 60.97,29.533 cw(c60.631,29.533) 60.631,29.194 U7.5@59.275,29.194 59.273,29.192 58.402,29.192 ccw(c58.402,28.448) 57.658,28.448 57.658,24.638 ; U6.5@59.275,24.114 58.182,24.114 cw(c58.182,24.638) 57.658,24.638 ; U9.1@60.719,19.886 cw(c59.868,19.886) 59.868,19.034 U5.5@59.242,19.034 58.077,19.034 cw(c58.077,19.453) 57.658,19.453 57.658,24.638 ; v1@63.704,31.75 67.31,31.75 cw(c67.31,31.075) 67.985,31.075 U10.6@67.985,29.846
  Bottom Layer w0.254: v1(60.886,31.663) v1(63.5,31.663)
SDA: R14.1 U5.4 U6.4 U7.4 U8.43 U9.6 U10.5 | length 56.8
  Top Layer w0.254: U8.43@54.61,47.417 54.61,40.168 ccw(c57.15,40.168) 55.354,38.372 60.296,33.43 ; U5.4@59.242,18.534 59.244,18.536 U5.4@59.242,18.534 61.719,18.534 ccw(c61.719,19.553) 62.738,19.553 62.738,24.764 ; U7.4@59.275,28.694 61.743,28.694 ccw(c61.743,29.689) 62.738,29.689 ; U6.4@59.277,23.616 U6.4@59.275,23.614 61.588,23.614 ; U9.6@60.719,21.366 60.719,22.745 cw(c61.588,22.745) 61.588,23.614 ; R14.1@62.738,30.48 62.738,29.689 ; R14.1@62.776,30.48 ccw(c61.641,30.48) 62.444,31.282 60.296,33.43 ; U10.5@68.635,29.846 68.635,31.255 ccw(c67.16,31.255) 67.16,32.73 61.986,32.73 cw(c61.986,35.12) 60.296,33.43 ; 61.588,23.614 ccw(c61.588,24.764) 62.738,24.764 ; 62.738,24.764 62.738,29.689
SWCLK: P1.3 R19.1 | length 58.8
  Top Layer w0.254: R19.1@49.03,44.704 R19.1@48.83,44.704 46.482,44.704 cw(c46.482,48.26) 42.926,48.26 42.926,60.198 cw(c46.482,60.198) 46.482,63.754 65.96,63.754 ccw(c65.96,66.294) 68.5,66.294 P1.3@68.5,75.946
SWDIO: P1.2 R18.1 | length 51.1
  Top Layer w0.254: R18.1@45.937,49.291 45.903,49.257 cw(c45.903,51.471) 43.688,51.471 43.688,59.182 cw(c47.498,59.182) 47.498,62.992 66.96,62.992 ccw(c66.96,65.532) 69.5,65.532 P1.2@69.5,75.946
T_ALRT1: U9.3
TX: P1.8 U8.12 | length 25
  Top Layer w0.254: U8.12@58.381,53.55 59.308,53.55 ccw(c59.308,53.979) v1(59.737,53.979) ; v1(63.5,65.557) P1.8@63.5,75.946
  Bottom Layer w0.254: v1(59.737,53.979) 59.737,56.592 cw(c59.991,56.591) 59.79,56.746 ccw(c59.34,57.098) 59.79,57.45 cw(c59.991,57.606) 59.737,57.604 59.737,58.939 cw(c62.277,58.939) 60.481,60.735 62.756,63.01 ccw(c60.96,64.806) 63.5,64.806 v1(63.5,65.557)
USER_BUTTON: R15.1 SW1.3 U8.17 | length 27.8
  Top Layer w0.254: SW1.3@50.995,78.772 50.995,79.091 ccw(c53.27,79.091) 53.27,76.816 54.871,76.816 54.881,76.806 55.128,76.806 55.134,76.8 55.118,76.785 R15.1@55.118,76.708 v1(55.118,66.294) ; U8.17@55.106,54.825 55.108,54.827 55.108,61.288 v1(55.123,61.302)
  Bottom Layer w0.254: v1(55.118,66.294) 55.12,66.292 55.12,61.305 v1(55.123,61.302)
VDD: C12.2 C13.2 C14.2 C18.2 C20.2 C21.2 C22.2 C23.2 C29.1 C30.1 FB2.1 J1.2 J2.10 J2.44 P1.1 R13.2 R14.2 R15.2 R16.1 R23.1 R27.1 R32.1 R33.1 R36.2 U1.2 U5.1 U5.6 U6.6 U7.2 U7.6 U8.1 U8.24 U8.36 U8.48 U9.5 U10.8 | length 297.7
  Top Layer w0.254: C18.2@48.28,47.244 48.28,47.264 cw(c49.066,47.264) 49.066,48.05 U8.36@50.331,48.05 ; R27.1@49.693,56.513 49.693,56.355 ccw(c51.854,56.355) v2(50.326,54.827) cw(c52.737,54.827) 51.032,56.532 C21.2@51.373,56.873 ; C21.2@51.326,56.92 ccw(c51.373,56.92) C21.2@51.373,56.873 ; C29.1@51.425,33.906 ccw(c51.726,34.206) 51.726,33.782 v1(55.025,33.782) cw(c52.975,33.782) 54.425,32.333 53.629,31.537 ccw(c54.94,30.226) C14.2@53.086,30.226 ; U8.24@51.606,54.825 51.606,56.64 C21.2@51.373,56.873 ; v1(51.816,26.544) cw(c51.816,25.329) 52.675,26.188 52.811,26.052 cw(c52.147,25.388) 53.086,25.388 C13.2@53.086,24.874 ; v1(51.816,29.194) cw(c52.531,29.194) 52.025,29.699 52.174,29.848 cw(c53.086,28.937) C14.2@53.086,30.226 ; v1(51.975,20.972) cw(c51.975,20.1) 52.592,20.717 52.811,20.498 cw(c52.147,19.834) 53.086,19.834 cw(c53.086,19.048) 53.642,19.604 53.96,19.286 ccw(c54.568,19.894) 54.568,19.034 U5.6@54.992,19.034 ; C13.2@53.319,24.621 53.387,24.621 cw(c53.387,23.812) 53.96,24.384 ccw(c54.611,25.036) 54.611,24.114 U6.6@55.025,24.114 ; U7.6@55.025,29.194 54.35,29.194 cw(c54.35,29.696) 53.848,29.696 53.848,29.699 ccw(c53.321,29.699) 53.321,30.226 C14.2@53.086,30.226 ; R15.2@55.118,77.508 56.642,77.508 ; R16.1@56.642,76.833 56.642,77.508 ; U8.48@57.106,46.775 57.106,45.764 57.133,45.737 57.133,45.191 57.366,44.958 C22.2@57.386,44.958 57.406,44.958 57.639,45.191 57.639,45.211 58.63,46.202 ccw(c58.525,46.308) 58.674,46.308 v1(58.674,46.482) cw(c58.78,46.376) 58.78,46.526 58.974,46.526 60.012,47.564 60.012,47.584 60.245,47.817 C20.2@60.265,47.817 ; U8.1@58.381,48.05 60.012,48.05 C20.2@60.188,47.874 ; R32.1@58.566,15.748 ccw(c58.566,17.197) 59.59,16.172 v1(60.452,17.034) U5.1@59.688,17.034 ; R36.2@59.009,59.838 59.009,59.038 ccw(c59.524,59.038) FB2.1@59.16,58.674 ; U7.2@59.275,27.694 59.277,27.692 60.192,27.692 v1(60.198,27.686) ; U9.5@61.219,21.366 61.239,21.574 61.239,21.651 cw(c61.619,21.651) 61.239,21.668 61.262,22.192 cw(c61.719,22.173) 61.28,22.299 v1(61.377,22.639) ; R13.2@61.868,29.464 ccw(c61.607,29.725) 61.976,29.725 v1(61.976,29.864) R14.2@61.976,30.48 ; v1(63.492,29.877) 64.37,30.755 cw(c65.143,29.982) 65.143,31.075 66.16,31.075 cw(c66.16,30.55) 66.557,30.894 cw(c66.364,30.728) 66.577,30.867 ccw(c67.056,31.178) 66.6,30.834 cw(c66.397,30.682) 66.618,30.807 cw(c66.16,30.55) 66.67,30.674 66.685,30.613 U10.8@66.685,29.846 ; R33.1@66.96,69.367 v1(66.96,70.192) ; P1.1@70.5,75.946 70.5,76.508 ccw(c69.5,76.508) 69.5,77.508 56.642,77.508
  Top Layer w0.406: J2.10@7.112,58.928 J1.2@13.716,65.278 13.716,62.301 ccw(c14.083,62.301) C30.1@13.824,62.041 ; C23.2@49.193,54.827 v2(50.326,54.827) ; R15.2@55.118,77.508 R23.1@55.118,79.248 ; v1(58.16,58.674) FB2.1@59.16,58.674 ; v1(70.5,74.422) P1.1@70.5,75.946
  Top Layer w0.762: J1.2@13.716,65.278 ccw(c15.085,65.278) 15.085,63.909 17.143,63.909 cw(c17.143,63.018) 18.034,63.018
  Bottom Layer w0.254: v1(48.601,47.898) 48.601,53.102 cw(c50.326,53.102) v2(50.326,54.827) ; v1(51.816,29.194) v1(51.816,26.544) 51.816,21.357 ccw(c52.36,21.357) v1(51.975,20.972) ; v1(60.198,27.686) 60.633,27.251 cw(c58.837,25.455) 61.377,25.455 v1(61.377,22.639) 61.377,19.011 cw(c58.837,19.011) 60.633,17.215 v1@60.475,17.057 ; v1(60.452,17.034) v1@60.475,17.057 ; 60.626,17.221 cw(c58.679,18.853) v1@60.475,17.057 ; v1(66.96,70.192) 66.96,72.644
  Bottom Layer w0.406: J2.10@6.707,58.928 J2.10@7.112,58.928 ; J2.10@6.796,58.76 J2.10@7.112,58.928 ; J2.44@7.112,15.748 ccw(c5.785,15.748) 5.785,17.075 4.572,17.075 cw(c4.572,19.615) 2.032,19.615 2.032,55.038 cw(c4.572,55.038) 4.454,57.575 4.517,57.578 cw(c4.572,56.388) 4.623,57.578 ccw(c4.64,57.984) 4.64,57.578 5.762,57.578 ccw(c5.762,58.928) J2.10@7.112,58.928 ; v1(58.16,58.674) cw(c57.6,58.674) 57.996,58.278 55.289,55.571 cw(c53.493,57.367) 55.108,55.407 ; v1(58.674,46.482) 58.671,46.482 54.281,50.872 ; v1(60.198,27.686) 60.198,27.694 57.412,30.48 ; v1(63.492,29.877) 63.492,29.864 v1(61.976,29.864) 59.699,29.832 cw(c59.69,30.48) 59.531,29.852 ccw(c59.433,29.458) 59.435,29.864 58.899,29.864 cw(c58.899,31.967) 57.412,30.48 ; v1(70.5,74.422) cw(c68.722,74.422) 68.722,72.644 66.96,72.644 58.42,72.644 ccw(c58.42,70.104) 55.88,70.104 55.88,57.231 cw(c53.34,57.231) 55.136,55.435 55.108,55.407 ; 54.281,50.872 cw(c52.485,49.076) 55.025,49.076 v1(55.025,33.782) 55.025,33.528 ccw(c56.621,33.528) 55.492,32.4 57.412,30.48 ; 54.281,50.872 v2(50.326,54.827) 53.493,54.827 ccw(c53.493,57.367) 55.108,55.407
  Bottom Layer w0.762: J1.2@13.716,65.278 23.423,55.571 ccw(c25.219,57.367) 25.219,54.827 v2(50.326,54.827)
pads on no net: C10.2 J1.1 J2.1 J2.2 J2.3 J2.4 J2.5 J2.11 J2.12 J2.13 J2.15 J2.17 J2.21 J2.23 J2.25 J2.27 J2.28 J2.29 J2.30 J2.31 J2.32 J2.33 J2.34 J2.35 J2.36 J2.37 J2.38 J2.39 J2.41 J2.43 J2.45 J2.46 J3.1 J3.2 J3.3 J3.4 J3.5 J3.11 J3.13 J3.15 J3.16 J3.17 J3.18 J3.19 J3.21 J3.22 J3.23 J3.24 J3.25 J3.26 J3.28 J3.30 J3.33 J3.34 J3.35 J3.36 J3.37 J3.38 J3.39 J3.40 J3.41 J3.42 J3.43 J3.44 J3.45 J3.46 J4. P1.5 P1.MP1 P1.MP2 R7.3 R8.1 U2.2 U2.8 U2.10 U3.3 U4.1 U8.2 U8.10 U8.11 U8.20 U8.21 U8.22 U8.33 U8.38 U8.45 U8.46 X1.2 X1.3

## Polygon pours and split planes (outlines as drawn)
GND on Top Layer "GND_L01_P009" (solid, remove dead copper, pour order 9): 4.572,2.032 cw(c4.572,4.572) 2.032,4.572 2.032,77.47 cw(c4.572,77.47) 4.572,80.01 77.47,80.01 cw(c77.47,77.47) 80.01,77.47 80.01,4.572 cw(c77.47,4.572) 77.47,2.032
BAT_BUS on Top Layer "BAT_BUS_L01_P003" (solid, remove dead copper, pour order 3): 7.843,42.641 cw(c7.747,41.841) 8.547,41.745 8.547,38.213 cw(c7.418,38.213) 7.418,37.084 2.286,37.084 cw(c2.286,37.846) 1.524,37.846 1.524,55.857 cw(c2.055,55.857) 2.055,56.388 3.175,56.388 cw(c3.175,56.007) 3.556,56.007 3.556,42.926 ccw(c3.841,42.926) 3.841,42.641
BAT_BUS on Top Layer "BAT_BUS_L01_P000" (solid, remove dead copper, pour order 0): 19.812,51.816 ccw(c19.812,52.324) 20.32,52.324 20.32,54.61 20.316,56.797 ccw(c19.627,56.855) 19.684,57.545 12.583,57.545 cw(c12.52,57.954) 12.108,57.912 12.188,63.5 12.188,64.774 ccw(c11.43,64.774) 11.43,65.532 2.286,65.532 ccw(c2.286,64.774) 1.528,64.774 1.52,55.838 ccw(c2.536,55.837) 2.536,54.822 11.89,54.822 cw(c11.912,54.794) 11.934,54.822 16.064,54.864 cw(c16.017,54.371) 16.51,54.323 16.51,52.324 ccw(c17.018,52.324) 17.018,51.816
GND on Bottom Layer "GND_L02_P008" (solid, remove dead copper, pour order 8): 4.572,2.032 cw(c4.572,4.572) 2.032,4.572 2.032,77.47 cw(c4.572,77.47) 4.572,80.01 77.47,80.01 cw(c77.47,77.47) 80.01,77.47 80.01,4.572 cw(c77.47,4.572) 77.47,2.032 76.962,2.032

## Silkscreen, mask and mechanical layers (free items; w line width, h text height)
Top Overlay:
  circle w0.127: c78.27,62.61 r1.046
  circle w0.127: c75.73,29.59 r1.046
  circle w0.127: c75.73,32.13 r1.046
  circle w0.127: c75.73,34.67 r1.046
  lines w0.254: 15.24,76.962 16.256,76.962 ; 15.748,74.93 15.748,75.946 ; 15.748,76.454 15.748,77.47 ; 17.942,22.26 19.15,23.468 ; 17.942,23.46 19.15,22.252 ; 18.704,35.214 19.912,36.422 ; 18.704,36.414 19.912,35.206 ; 23.114,76.962 24.13,76.962 ; 23.622,74.93 23.622,75.946 ; 23.622,76.454 23.622,77.47 ; 46.228,5.588 47.244,5.588 ; 46.736,5.08 46.736,6.096 ; 46.736,6.604 46.736,7.62 ; 51.08,16.189 52.288,17.397 ; 51.08,17.389 52.288,16.181 ; 54.102,5.588 55.118,5.588 ; 54.61,5.08 54.61,6.096 ; 62.23,5.588 63.246,5.588 ; 62.738,5.08 62.738,6.096 ; 3.237,11.683 8.447,11.683 8.447,70.613 3.237,70.613 3.237,11.683 ; 9.144,2.54 24.13,2.54 24.13,23.114 9.144,23.114 9.144,2.54 ; 9.144,23.622 24.13,23.622 24.13,35.306 9.144,35.306 9.144,23.622 ; 9.144,35.814 24.13,35.814 24.13,54.864 9.144,54.864 9.144,35.814 ; 9.144,55.372 24.13,55.372 24.13,66.802 9.144,66.802 9.144,55.372 ; 45.974,13.449 65.278,13.449 65.278,32.512 45.974,32.512 45.974,13.449 ; 74.395,10.285 79.605,10.285 79.605,69.215 74.395,69.215 74.395,10.285
  lines w0.762: 33.02,71.628 37.084,71.628 ; 35,9.144 35,13.208 ; 35.052,69.596 35.052,73.66
  text "RST" at 49.409,80.772 h1.52 r180
  text "5V" at 60.874,74.843 h1.52 r270
  text "GND" at 61.859,74.843 h1.52 r270
  text "TX" at 62.875,74.843 h1.52 r270
  text "RX" at 63.891,74.843 h1.52 r270
  text "RESET" at 64.907,74.843 h1.52 r270
  text "GND" at 66.939,74.843 h1.52 r270
  text "SWCLK" at 67.955,74.843 h1.52 r270
  text "SWDIO" at 68.971,74.843 h1.52 r270
  text "3V3" at 69.987,74.843 h1.52 r270
  text "▲TOP" at 79.705,73.746 h2.03 r180
  text "PV IN" at 13.075,72.136 h1.52 r180
  text "V1.1" at 61.322,68.064 h1.02 r180
  text "EduSat - EPS" at 63.871,66.126 h1.52 r180
  text "LDO 3V3" at 10.397,55.626 h1.52 r90
  text "MCU" at 54.61,45.542 h1.52 r180
  text "BATT PROTECTION" at 10.398,40.684 h1.52 r90
  text "Electrical Power System" at 35.131,37.026 h1.02 r90
  text "CC/CV" at 13.838,25.043 h1.52 r180
  text "SENSORS" at 64.024,20.126 h1.52 r270
  text "PV IN" at 72.39,8.766 h1.52 r270
  text "MPPT" at 21.721,3.81 h1.52 r180
Top Solder:
  region: 48.975,46.816 50.389,45.402 51.135,46.148 49.721,47.562
  region: 57.608,55.568 59.022,54.154 59.768,54.9 58.354,56.314